# KiCad board NoU2-panelized2.kicad_pcb (continued)
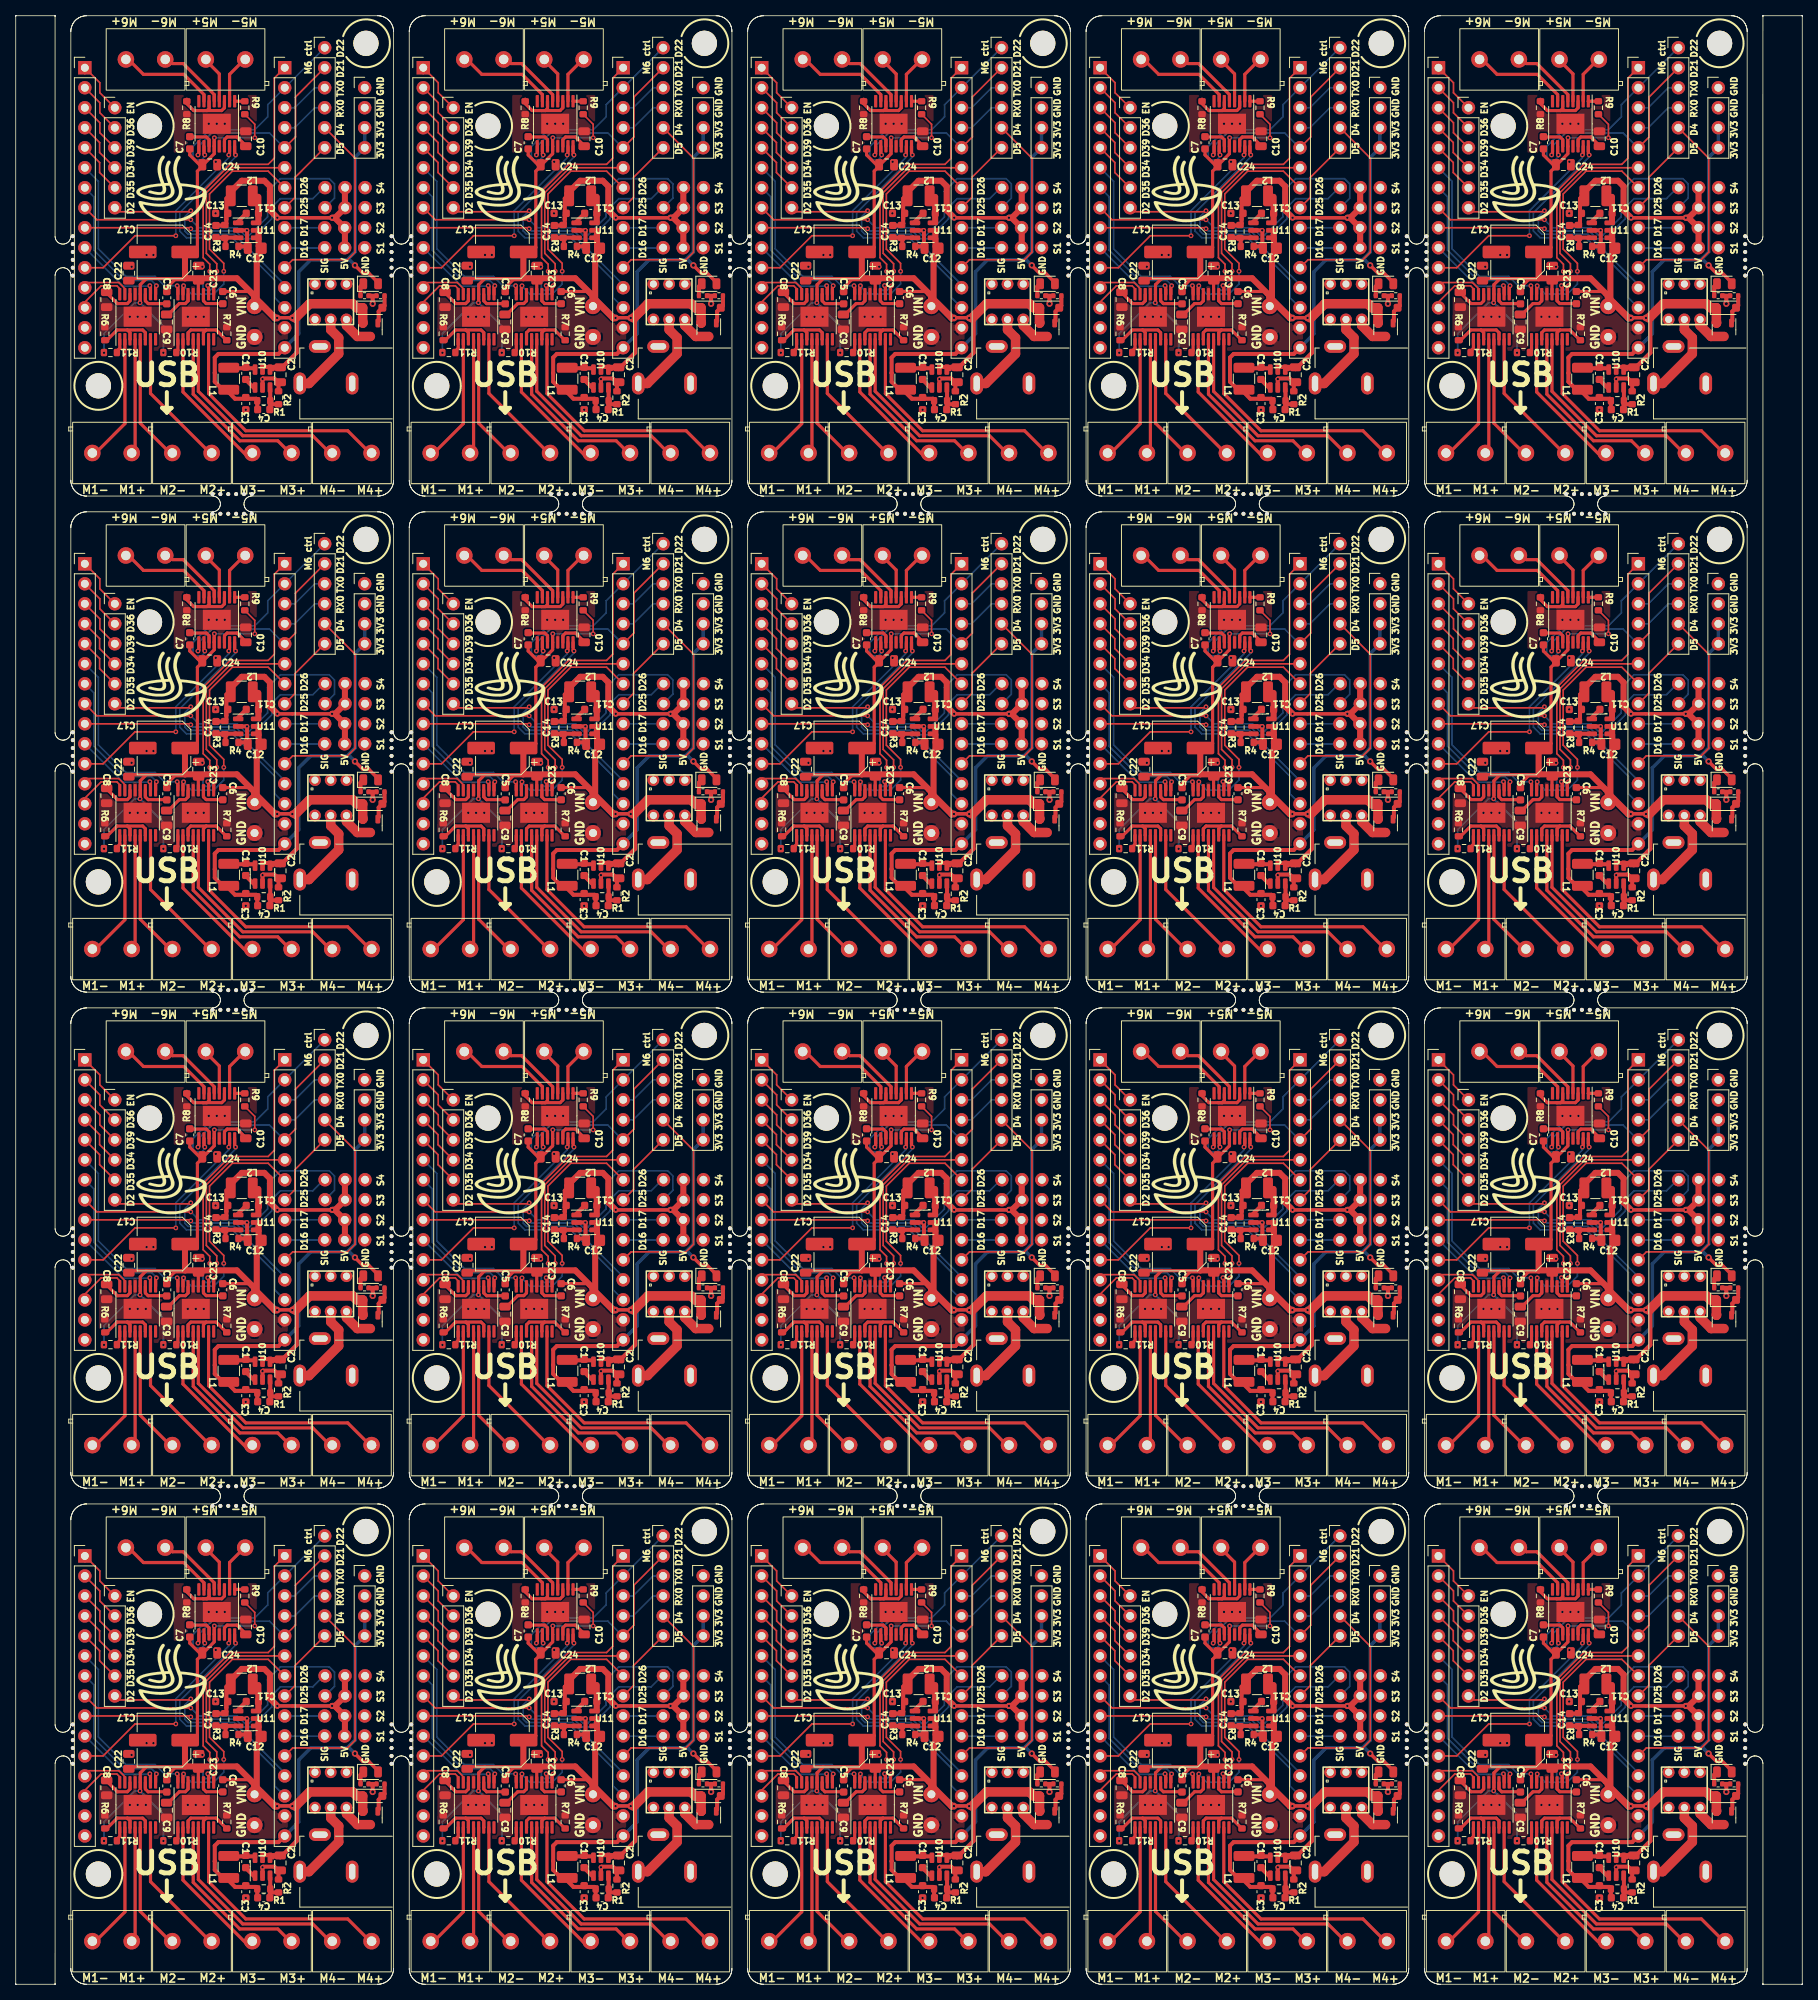
[diagram p0: board, top side]
## Placement (name value [footprint] x y rotation side) (continued)
C23#3  10uF  [C_0805_2012Metric]  66.23 91.31 90 top
C23#4  10uF  [C_0805_2012Metric]  195.23 154.31 90 top
C23#5  10uF  [C_0805_2012Metric]  23.23 91.31 90 top
C23#6  10uF  [C_0805_2012Metric]  152.23 217.31 90 top
C23#7  10uF  [C_0805_2012Metric]  109.23 217.31 90 top
C23#8  10uF  [C_0805_2012Metric]  23.23 28.31 90 top
C23#9  10uF  [C_0805_2012Metric]  152.23 154.31 90 top
C23#10  10uF  [C_0805_2012Metric]  109.23 154.31 90 top
C23#11  10uF  [C_0805_2012Metric]  66.23 217.31 90 top
C23#12  10uF  [C_0805_2012Metric]  195.23 217.31 90 top
C23#13  10uF  [C_0805_2012Metric]  23.23 154.31 90 top
C23#14  10uF  [C_0805_2012Metric]  66.23 28.31 90 top
C23#15  10uF  [C_0805_2012Metric]  152.23 91.31 90 top
C23#16  10uF  [C_0805_2012Metric]  109.23 28.31 90 top
C23#17  10uF  [C_0805_2012Metric]  195.23 91.31 90 top
C23#18  10uF  [C_0805_2012Metric]  195.23 28.31 90 top
C23#19  10uF  [C_0805_2012Metric]  152.23 28.31 90 top
C23#20  10uF  [C_0805_2012Metric]  109.23 91.31 90 top
C24  10uF  [C_0805_2012Metric]  24.65 231.08 0 top
C24#2  10uF  [C_0805_2012Metric]  196.65 231.08 0 top
C24#3  10uF  [C_0805_2012Metric]  153.65 168.08 0 top
C24#4  10uF  [C_0805_2012Metric]  196.65 168.08 0 top
C24#5  10uF  [C_0805_2012Metric]  153.65 231.08 0 top
C24#6  10uF  [C_0805_2012Metric]  110.65 42.08 0 top
C24#7  10uF  [C_0805_2012Metric]  153.65 42.08 0 top
C24#8  10uF  [C_0805_2012Metric]  67.65 231.08 0 top
C24#9  10uF  [C_0805_2012Metric]  67.65 42.08 0 top
C24#10  10uF  [C_0805_2012Metric]  110.65 231.08 0 top
C24#11  10uF  [C_0805_2012Metric]  67.65 168.08 0 top
C24#12  10uF  [C_0805_2012Metric]  24.65 168.08 0 top
C24#13  10uF  [C_0805_2012Metric]  24.65 42.08 0 top
C24#14  10uF  [C_0805_2012Metric]  110.65 168.08 0 top
C24#15  10uF  [C_0805_2012Metric]  153.65 105.08 0 top
C24#16  10uF  [C_0805_2012Metric]  24.65 105.08 0 top
C24#17  10uF  [C_0805_2012Metric]  110.65 105.08 0 top
C24#18  10uF  [C_0805_2012Metric]  196.65 42.08 0 top
C24#19  10uF  [C_0805_2012Metric]  67.65 105.08 0 top
C24#20  10uF  [C_0805_2012Metric]  196.65 105.08 0 top
D1  LED  [LED_0805_2012Metric]  217.1 152.96 0 top
D1#2  LED  [LED_0805_2012Metric]  88.1 26.96 0 top
D1#3  LED  [LED_0805_2012Metric]  88.1 152.96 0 top
D1#4  LED  [LED_0805_2012Metric]  174.1 152.96 0 top
D1#5  LED  [LED_0805_2012Metric]  45.1 215.96 0 top
D1#6  LED  [LED_0805_2012Metric]  131.1 215.96 0 top
D1#7  LED  [LED_0805_2012Metric]  131.1 152.96 0 top
D1#8  LED  [LED_0805_2012Metric]  217.1 215.96 0 top
D1#9  LED  [LED_0805_2012Metric]  45.1 152.96 0 top
D1#10  LED  [LED_0805_2012Metric]  45.1 89.96 0 top
D1#11  LED  [LED_0805_2012Metric]  174.1 26.96 0 top
D1#12  LED  [LED_0805_2012Metric]  131.1 89.96 0 top
D1#13  LED  [LED_0805_2012Metric]  174.1 89.96 0 top
D1#14  LED  [LED_0805_2012Metric]  88.1 215.96 0 top
D1#15  LED  [LED_0805_2012Metric]  217.1 89.96 0 top
D1#16  LED  [LED_0805_2012Metric]  88.1 89.96 0 top
D1#17  LED  [LED_0805_2012Metric]  45.1 26.96 0 top
D1#18  LED  [LED_0805_2012Metric]  131.1 26.96 0 top
D1#19  LED  [LED_0805_2012Metric]  217.1 26.96 0 top
D1#20  LED  [LED_0805_2012Metric]  174.1 215.96 0 top
D3  Z5V6  [D_SOD-323_HandSoldering]  88.34 149.92 0 top
D3#2  Z5V6  [D_SOD-323_HandSoldering]  131.34 212.92 0 top
D3#3  Z5V6  [D_SOD-323_HandSoldering]  88.34 86.92 0 top
D3#4  Z5V6  [D_SOD-323_HandSoldering]  131.34 149.92 0 top
D3#5  Z5V6  [D_SOD-323_HandSoldering]  131.34 86.92 0 top
D3#6  Z5V6  [D_SOD-323_HandSoldering]  45.34 212.92 0 top
D3#7  Z5V6  [D_SOD-323_HandSoldering]  88.34 212.92 0 top
D3#8  Z5V6  [D_SOD-323_HandSoldering]  131.34 23.92 0 top
D3#9  Z5V6  [D_SOD-323_HandSoldering]  174.34 86.92 0 top
D3#10  Z5V6  [D_SOD-323_HandSoldering]  217.34 149.92 0 top
D3#11  Z5V6  [D_SOD-323_HandSoldering]  217.34 212.92 0 top
D3#12  Z5V6  [D_SOD-323_HandSoldering]  45.34 23.92 0 top
D3#13  Z5V6  [D_SOD-323_HandSoldering]  45.34 86.92 0 top
D3#14  Z5V6  [D_SOD-323_HandSoldering]  174.34 149.92 0 top
D3#15  Z5V6  [D_SOD-323_HandSoldering]  217.34 86.92 0 top
D3#16  Z5V6  [D_SOD-323_HandSoldering]  217.34 23.92 0 top
D3#17  Z5V6  [D_SOD-323_HandSoldering]  174.34 212.92 0 top
D3#18  Z5V6  [D_SOD-323_HandSoldering]  88.34 23.92 0 top
D3#19  Z5V6  [D_SOD-323_HandSoldering]  45.34 149.92 0 top
D3#20  Z5V6  [D_SOD-323_HandSoldering]  174.34 23.92 0 top
G***  LOGO  [Alfredo_logo_small]  62.8 165 0 top
G***#2  LOGO  [Alfredo_logo_small]  191.8 228 0 top
G***#3  LOGO  [Alfredo_logo_small]  191.8 102 0 top
G***#4  LOGO  [Alfredo_logo_small]  105.8 228 0 top
G***#5  LOGO  [Alfredo_logo_small]  148.8 165 0 top
G***#6  LOGO  [Alfredo_logo_small]  19.8 102 0 top
G***#7  LOGO  [Alfredo_logo_small]  148.8 102 0 top
G***#8  LOGO  [Alfredo_logo_small]  62.8 39 0 top
G***#9  LOGO  [Alfredo_logo_small]  148.8 39 0 top
G***#10  LOGO  [Alfredo_logo_small]  105.8 102 0 top
G***#11  LOGO  [Alfredo_logo_small]  19.8 39 0 top
G***#12  LOGO  [Alfredo_logo_small]  19.8 228 0 top
G***#13  LOGO  [Alfredo_logo_small]  191.8 165 0 top
G***#14  LOGO  [Alfredo_logo_small]  148.8 228 0 top
G***#15  LOGO  [Alfredo_logo_small]  19.8 165 0 top
G***#16  LOGO  [Alfredo_logo_small]  62.8 102 0 top
G***#17  LOGO  [Alfredo_logo_small]  62.8 228 0 top
G***#18  LOGO  [Alfredo_logo_small]  191.8 39 0 top
G***#19  LOGO  [Alfredo_logo_small]  105.8 39 0 top
G***#20  LOGO  [Alfredo_logo_small]  105.8 165 0 top
J1  Conn_01x06_Male  [PinHeader_1x06_P2.54mm_Vertical]  39.26 119.94 0 top
J1#2  Conn_01x06_Male  [PinHeader_1x06_P2.54mm_Vertical]  168.26 182.94 0 top
J1#3  Conn_01x06_Male  [PinHeader_1x06_P2.54mm_Vertical]  125.26 119.94 0 top
J1#4  Conn_01x06_Male  [PinHeader_1x06_P2.54mm_Vertical]  211.26 56.94 0 top
J1#5  Conn_01x06_Male  [PinHeader_1x06_P2.54mm_Vertical]  168.26 245.94 0 top
J1#6  Conn_01x06_Male  [PinHeader_1x06_P2.54mm_Vertical]  211.26 245.94 0 top
J1#7  Conn_01x06_Male  [PinHeader_1x06_P2.54mm_Vertical]  211.26 182.94 0 top
J1#8  Conn_01x06_Male  [PinHeader_1x06_P2.54mm_Vertical]  82.26 245.94 0 top
J1#9  Conn_01x06_Male  [PinHeader_1x06_P2.54mm_Vertical]  39.26 245.94 0 top
J1#10  Conn_01x06_Male  [PinHeader_1x06_P2.54mm_Vertical]  82.26 56.94 0 top
J1#11  Conn_01x06_Male  [PinHeader_1x06_P2.54mm_Vertical]  125.26 245.94 0 top
J1#12  Conn_01x06_Male  [PinHeader_1x06_P2.54mm_Vertical]  82.26 182.94 0 top
J1#13  Conn_01x06_Male  [PinHeader_1x06_P2.54mm_Vertical]  82.26 119.94 0 top
J1#14  Conn_01x06_Male  [PinHeader_1x06_P2.54mm_Vertical]  39.26 182.94 0 top
J1#15  Conn_01x06_Male  [PinHeader_1x06_P2.54mm_Vertical]  125.26 182.94 0 top
J1#16  Conn_01x06_Male  [PinHeader_1x06_P2.54mm_Vertical]  168.26 119.94 0 top
J1#17  Conn_01x06_Male  [PinHeader_1x06_P2.54mm_Vertical]  211.26 119.94 0 top
J1#18  Conn_01x06_Male  [PinHeader_1x06_P2.54mm_Vertical]  39.26 56.94 0 top
J1#19  Conn_01x06_Male  [PinHeader_1x06_P2.54mm_Vertical]  168.26 56.94 0 top
J1#20  Conn_01x06_Male  [PinHeader_1x06_P2.54mm_Vertical]  125.26 56.94 0 top
J2  ESPheader  [PinHeader_1x15_P2.54mm_Vertical]  94.78 54.4 0 top
J2#2  ESPheader  [PinHeader_1x15_P2.54mm_Vertical]  94.78 180.4 0 top
J2#3  ESPheader  [PinHeader_1x15_P2.54mm_Vertical]  8.78 180.4 0 top
J2#4  ESPheader  [PinHeader_1x15_P2.54mm_Vertical]  180.78 117.4 0 top
J2#5  ESPheader  [PinHeader_1x15_P2.54mm_Vertical]  137.78 54.4 0 top
J2#6  ESPheader  [PinHeader_1x15_P2.54mm_Vertical]  180.78 54.4 0 top
J2#7  ESPheader  [PinHeader_1x15_P2.54mm_Vertical]  180.78 180.4 0 top
J2#8  ESPheader  [PinHeader_1x15_P2.54mm_Vertical]  8.78 54.4 0 top
J2#9  ESPheader  [PinHeader_1x15_P2.54mm_Vertical]  137.78 180.4 0 top
J2#10  ESPheader  [PinHeader_1x15_P2.54mm_Vertical]  51.78 243.4 0 top
J2#11  ESPheader  [PinHeader_1x15_P2.54mm_Vertical]  94.78 117.4 0 top
J2#12  ESPheader  [PinHeader_1x15_P2.54mm_Vertical]  137.78 117.4 0 top
J2#13  ESPheader  [PinHeader_1x15_P2.54mm_Vertical]  8.78 243.4 0 top
J2#14  ESPheader  [PinHeader_1x15_P2.54mm_Vertical]  94.78 243.4 0 top
J2#15  ESPheader  [PinHeader_1x15_P2.54mm_Vertical]  137.78 243.4 0 top
J2#16  ESPheader  [PinHeader_1x15_P2.54mm_Vertical]  180.78 243.4 0 top
J2#17  ESPheader  [PinHeader_1x15_P2.54mm_Vertical]  51.78 54.4 0 top
J2#18  ESPheader  [PinHeader_1x15_P2.54mm_Vertical]  51.78 180.4 0 top
J2#19  ESPheader  [PinHeader_1x15_P2.54mm_Vertical]  8.78 117.4 0 top
J2#20  ESPheader  [PinHeader_1x15_P2.54mm_Vertical]  51.78 117.4 0 top
J3  Conn_01x04_Male  [PinHeader_1x04_P2.54mm_Vertical]  44.34 240.86 0 top
J3#2  Conn_01x04_Male  [PinHeader_1x04_P2.54mm_Vertical]  173.34 240.86 0 top
J3#3  Conn_01x04_Male  [PinHeader_1x04_P2.54mm_Vertical]  173.34 51.86 0 top
J3#4  Conn_01x04_Male  [PinHeader_1x04_P2.54mm_Vertical]  44.34 177.86 0 top
J3#5  Conn_01x04_Male  [PinHeader_1x04_P2.54mm_Vertical]  87.34 240.86 0 top
J3#6  Conn_01x04_Male  [PinHeader_1x04_P2.54mm_Vertical]  173.34 114.86 0 top
J3#7  Conn_01x04_Male  [PinHeader_1x04_P2.54mm_Vertical]  173.34 177.86 0 top
J3#8  Conn_01x04_Male  [PinHeader_1x04_P2.54mm_Vertical]  216.34 114.86 0 top
J3#9  Conn_01x04_Male  [PinHeader_1x04_P2.54mm_Vertical]  216.34 51.86 0 top
J3#10  Conn_01x04_Male  [PinHeader_1x04_P2.54mm_Vertical]  130.34 114.86 0 top
J3#11  Conn_01x04_Male  [PinHeader_1x04_P2.54mm_Vertical]  216.34 177.86 0 top
J3#12  Conn_01x04_Male  [PinHeader_1x04_P2.54mm_Vertical]  87.34 114.86 0 top
J3#13  Conn_01x04_Male  [PinHeader_1x04_P2.54mm_Vertical]  44.34 114.86 0 top
J3#14  Conn_01x04_Male  [PinHeader_1x04_P2.54mm_Vertical]  87.34 177.86 0 top
J3#15  Conn_01x04_Male  [PinHeader_1x04_P2.54mm_Vertical]  130.34 177.86 0 top
J3#16  Conn_01x04_Male  [PinHeader_1x04_P2.54mm_Vertical]  130.34 240.86 0 top
J3#17  Conn_01x04_Male  [PinHeader_1x04_P2.54mm_Vertical]  44.34 51.86 0 top
J3#18  Conn_01x04_Male  [PinHeader_1x04_P2.54mm_Vertical]  216.34 240.86 0 top
J3#19  Conn_01x04_Male  [PinHeader_1x04_P2.54mm_Vertical]  87.34 51.86 0 top
J3#20  Conn_01x04_Male  [PinHeader_1x04_P2.54mm_Vertical]  130.34 51.86 0 top
J4  Conn_01x06_Male  [PinHeader_1x06_P2.54mm_Vertical]  55.59 175.32 0 top
J4#2  Conn_01x06_Male  [PinHeader_1x06_P2.54mm_Vertical]  184.59 112.32 0 top
J4#3  Conn_01x06_Male  [PinHeader_1x06_P2.54mm_Vertical]  141.59 112.32 0 top
J4#4  Conn_01x06_Male  [PinHeader_1x06_P2.54mm_Vertical]  98.59 49.32 0 top
J4#5  Conn_01x06_Male  [PinHeader_1x06_P2.54mm_Vertical]  98.59 238.32 0 top
J4#6  Conn_01x06_Male  [PinHeader_1x06_P2.54mm_Vertical]  184.59 238.32 0 top
J4#7  Conn_01x06_Male  [PinHeader_1x06_P2.54mm_Vertical]  55.59 238.32 0 top
J4#8  Conn_01x06_Male  [PinHeader_1x06_P2.54mm_Vertical]  141.59 238.32 0 top
J4#9  Conn_01x06_Male  [PinHeader_1x06_P2.54mm_Vertical]  12.59 238.32 0 top
J4#10  Conn_01x06_Male  [PinHeader_1x06_P2.54mm_Vertical]  98.59 175.32 0 top
J4#11  Conn_01x06_Male  [PinHeader_1x06_P2.54mm_Vertical]  98.59 112.32 0 top
J4#12  Conn_01x06_Male  [PinHeader_1x06_P2.54mm_Vertical]  184.59 175.32 0 top
J4#13  Conn_01x06_Male  [PinHeader_1x06_P2.54mm_Vertical]  12.59 112.32 0 top
J4#14  Conn_01x06_Male  [PinHeader_1x06_P2.54mm_Vertical]  12.59 49.32 0 top
J4#15  Conn_01x06_Male  [PinHeader_1x06_P2.54mm_Vertical]  55.59 49.32 0 top
J4#16  Conn_01x06_Male  [PinHeader_1x06_P2.54mm_Vertical]  12.59 175.32 0 top
J4#17  Conn_01x06_Male  [PinHeader_1x06_P2.54mm_Vertical]  141.59 175.32 0 top
J4#18  Conn_01x06_Male  [PinHeader_1x06_P2.54mm_Vertical]  141.59 49.32 0 top
J4#19  Conn_01x06_Male  [PinHeader_1x06_P2.54mm_Vertical]  55.59 112.32 0 top
J4#20  Conn_01x06_Male  [PinHeader_1x06_P2.54mm_Vertical]  184.59 49.32 0 top
J5  ESPheader  [PinHeader_1x15_P2.54mm_Vertical]  163.18 243.4 0 top
J5#2  ESPheader  [PinHeader_1x15_P2.54mm_Vertical]  206.18 243.4 0 top
J5#3  ESPheader  [PinHeader_1x15_P2.54mm_Vertical]  206.18 54.4 0 top
J5#4  ESPheader  [PinHeader_1x15_P2.54mm_Vertical]  77.18 117.4 0 top
J5#5  ESPheader  [PinHeader_1x15_P2.54mm_Vertical]  77.18 243.4 0 top
J5#6  ESPheader  [PinHeader_1x15_P2.54mm_Vertical]  206.18 180.4 0 top
J5#7  ESPheader  [PinHeader_1x15_P2.54mm_Vertical]  120.18 54.4 0 top
J5#8  ESPheader  [PinHeader_1x15_P2.54mm_Vertical]  120.18 117.4 0 top
J5#9  ESPheader  [PinHeader_1x15_P2.54mm_Vertical]  77.18 180.4 0 top
J5#10  ESPheader  [PinHeader_1x15_P2.54mm_Vertical]  120.18 180.4 0 top
J5#11  ESPheader  [PinHeader_1x15_P2.54mm_Vertical]  120.18 243.4 0 top
J5#12  ESPheader  [PinHeader_1x15_P2.54mm_Vertical]  34.18 180.4 0 top
J5#13  ESPheader  [PinHeader_1x15_P2.54mm_Vertical]  34.18 54.4 0 top
J5#14  ESPheader  [PinHeader_1x15_P2.54mm_Vertical]  34.18 243.4 0 top
J5#15  ESPheader  [PinHeader_1x15_P2.54mm_Vertical]  163.18 180.4 0 top
J5#16  ESPheader  [PinHeader_1x15_P2.54mm_Vertical]  163.18 54.4 0 top
J5#17  ESPheader  [PinHeader_1x15_P2.54mm_Vertical]  163.18 117.4 0 top
J5#18  ESPheader  [PinHeader_1x15_P2.54mm_Vertical]  77.18 54.4 0 top
J5#19  ESPheader  [PinHeader_1x15_P2.54mm_Vertical]  206.18 117.4 0 top
J5#20  ESPheader  [PinHeader_1x15_P2.54mm_Vertical]  34.18 117.4 0 top
J10  Barrel_Jack  [DC-005C]  128.75 77.3 180 top
J10#2  Barrel_Jack  [DC-005C]  85.75 77.3 180 top
J10#3  Barrel_Jack  [DC-005C]  128.75 203.3 180 top
J10#4  Barrel_Jack  [DC-005C]  214.75 140.3 180 top
J10#5  Barrel_Jack  [DC-005C]  42.75 140.3 180 top
J10#6  Barrel_Jack  [DC-005C]  171.75 77.3 180 top
J10#7  Barrel_Jack  [DC-005C]  85.75 140.3 180 top
J10#8  Barrel_Jack  [DC-005C]  128.75 140.3 180 top
J10#9  Barrel_Jack  [DC-005C]  42.75 203.3 180 top
J10#10  Barrel_Jack  [DC-005C]  85.75 203.3 180 top
J10#11  Barrel_Jack  [DC-005C]  171.75 140.3 180 top
J10#12  Barrel_Jack  [DC-005C]  171.75 14.3 180 top
J10#13  Barrel_Jack  [DC-005C]  171.75 203.3 180 top
J10#14  Barrel_Jack  [DC-005C]  214.75 77.3 180 top
J10#15  Barrel_Jack  [DC-005C]  214.75 14.3 180 top
J10#16  Barrel_Jack  [DC-005C]  42.75 77.3 180 top
J10#17  Barrel_Jack  [DC-005C]  128.75 14.3 180 top
J10#18  Barrel_Jack  [DC-005C]  85.75 14.3 180 top
J10#19  Barrel_Jack  [DC-005C]  214.75 203.3 180 top
J10#20  Barrel_Jack  [DC-005C]  42.75 14.3 180 top
J11  Screw_Terminal_01x02  [TerminalBlock_Ningbo_2P_5mm]  55.23 194.47 180 top
J11#2  Screw_Terminal_01x02  [TerminalBlock_Ningbo_2P_5mm]  55.23 131.47 180 top
J11#3  Screw_Terminal_01x02  [TerminalBlock_Ningbo_2P_5mm]  141.23 5.47 180 top
J11#4  Screw_Terminal_01x02  [TerminalBlock_Ningbo_2P_5mm]  184.23 194.47 180 top
J11#5  Screw_Terminal_01x02  [TerminalBlock_Ningbo_2P_5mm]  12.23 194.47 180 top
J11#6  Screw_Terminal_01x02  [TerminalBlock_Ningbo_2P_5mm]  184.23 5.47 180 top
J11#7  Screw_Terminal_01x02  [TerminalBlock_Ningbo_2P_5mm]  12.23 131.47 180 top
J11#8  Screw_Terminal_01x02  [TerminalBlock_Ningbo_2P_5mm]  141.23 194.47 180 top
J11#9  Screw_Terminal_01x02  [TerminalBlock_Ningbo_2P_5mm]  98.23 68.47 180 top
J11#10  Screw_Terminal_01x02  [TerminalBlock_Ningbo_2P_5mm]  98.23 131.47 180 top
J11#11  Screw_Terminal_01x02  [TerminalBlock_Ningbo_2P_5mm]  12.23 68.47 180 top
J11#12  Screw_Terminal_01x02  [TerminalBlock_Ningbo_2P_5mm]  184.23 131.47 180 top
J11#13  Screw_Terminal_01x02  [TerminalBlock_Ningbo_2P_5mm]  141.23 131.47 180 top
J11#14  Screw_Terminal_01x02  [TerminalBlock_Ningbo_2P_5mm]  55.23 5.47 180 top
J11#15  Screw_Terminal_01x02  [TerminalBlock_Ningbo_2P_5mm]  141.23 68.47 180 top
J11#16  Screw_Terminal_01x02  [TerminalBlock_Ningbo_2P_5mm]  98.23 5.47 180 top
J11#17  Screw_Terminal_01x02  [TerminalBlock_Ningbo_2P_5mm]  55.23 68.47 180 top
J11#18  Screw_Terminal_01x02  [TerminalBlock_Ningbo_2P_5mm]  98.23 194.47 180 top
J11#19  Screw_Terminal_01x02  [TerminalBlock_Ningbo_2P_5mm]  12.23 5.47 180 top
J11#20  Screw_Terminal_01x02  [TerminalBlock_Ningbo_2P_5mm]  184.23 68.47 180 top
J13  Conn_01x01  [PinSocket_1x01_P2.54mm_Vertical]  30.34 209.21 0 top
J13#2  Conn_01x01  [PinSocket_1x01_P2.54mm_Vertical]  116.34 209.21 0 top
J13#3  Conn_01x01  [PinSocket_1x01_P2.54mm_Vertical]  202.34 209.21 0 top
J13#4  Conn_01x01  [PinSocket_1x01_P2.54mm_Vertical]  116.34 83.21 0 top
J13#5  Conn_01x01  [PinSocket_1x01_P2.54mm_Vertical]  73.34 83.21 0 top
J13#6  Conn_01x01  [PinSocket_1x01_P2.54mm_Vertical]  159.34 209.21 0 top
J13#7  Conn_01x01  [PinSocket_1x01_P2.54mm_Vertical]  73.34 146.21 0 top
J13#8  Conn_01x01  [PinSocket_1x01_P2.54mm_Vertical]  202.34 146.21 0 top
J13#9  Conn_01x01  [PinSocket_1x01_P2.54mm_Vertical]  30.34 146.21 0 top
J13#10  Conn_01x01  [PinSocket_1x01_P2.54mm_Vertical]  159.34 146.21 0 top
J13#11  Conn_01x01  [PinSocket_1x01_P2.54mm_Vertical]  73.34 209.21 0 top
J13#12  Conn_01x01  [PinSocket_1x01_P2.54mm_Vertical]  116.34 20.21 0 top
J13#13  Conn_01x01  [PinSocket_1x01_P2.54mm_Vertical]  116.34 146.21 0 top
J13#14  Conn_01x01  [PinSocket_1x01_P2.54mm_Vertical]  159.34 83.21 0 top
J13#15  Conn_01x01  [PinSocket_1x01_P2.54mm_Vertical]  202.34 83.21 0 top
J13#16  Conn_01x01  [PinSocket_1x01_P2.54mm_Vertical]  202.34 20.21 0 top
J13#17  Conn_01x01  [PinSocket_1x01_P2.54mm_Vertical]  30.34 83.21 0 top
J13#18  Conn_01x01  [PinSocket_1x01_P2.54mm_Vertical]  73.34 20.21 0 top
J13#19  Conn_01x01  [PinSocket_1x01_P2.54mm_Vertical]  30.34 20.21 0 top
J13#20  Conn_01x01  [PinSocket_1x01_P2.54mm_Vertical]  159.34 20.21 0 top
J14  Conn_01x01  [PinSocket_1x01_P2.54mm_Vertical]  202.34 150.12 0 top
J14#2  Conn_01x01  [PinSocket_1x01_P2.54mm_Vertical]  116.34 87.12 0 top
J14#3  Conn_01x01  [PinSocket_1x01_P2.54mm_Vertical]  30.34 213.12 0 top
J14#4  Conn_01x01  [PinSocket_1x01_P2.54mm_Vertical]  116.34 213.12 0 top
J14#5  Conn_01x01  [PinSocket_1x01_P2.54mm_Vertical]  73.34 150.12 0 top
J14#6  Conn_01x01  [PinSocket_1x01_P2.54mm_Vertical]  30.34 24.12 0 top
J14#7  Conn_01x01  [PinSocket_1x01_P2.54mm_Vertical]  159.34 213.12 0 top
J14#8  Conn_01x01  [PinSocket_1x01_P2.54mm_Vertical]  30.34 150.12 0 top
J14#9  Conn_01x01  [PinSocket_1x01_P2.54mm_Vertical]  202.34 213.12 0 top
J14#10  Conn_01x01  [PinSocket_1x01_P2.54mm_Vertical]  116.34 150.12 0 top
J14#11  Conn_01x01  [PinSocket_1x01_P2.54mm_Vertical]  73.34 213.12 0 top
J14#12  Conn_01x01  [PinSocket_1x01_P2.54mm_Vertical]  159.34 150.12 0 top
J14#13  Conn_01x01  [PinSocket_1x01_P2.54mm_Vertical]  202.34 87.12 0 top
J14#14  Conn_01x01  [PinSocket_1x01_P2.54mm_Vertical]  159.34 87.12 0 top
J14#15  Conn_01x01  [PinSocket_1x01_P2.54mm_Vertical]  30.34 87.12 0 top
J14#16  Conn_01x01  [PinSocket_1x01_P2.54mm_Vertical]  202.34 24.12 0 top
J14#17  Conn_01x01  [PinSocket_1x01_P2.54mm_Vertical]  116.34 24.12 0 top
J14#18  Conn_01x01  [PinSocket_1x01_P2.54mm_Vertical]  73.34 24.12 0 top
J14#19  Conn_01x01  [PinSocket_1x01_P2.54mm_Vertical]  73.34 87.12 0 top
J14#20  Conn_01x01  [PinSocket_1x01_P2.54mm_Vertical]  159.34 24.12 0 top
J15  Screw_Terminal_01x02  [TerminalBlock_Ningbo_2P_5mm]  22.39 68.47 180 top
J15#2  Screw_Terminal_01x02  [TerminalBlock_Ningbo_2P_5mm]  22.39 194.47 180 top
J15#3  Screw_Terminal_01x02  [TerminalBlock_Ningbo_2P_5mm]  65.39 194.47 180 top
J15#4  Screw_Terminal_01x02  [TerminalBlock_Ningbo_2P_5mm]  194.39 131.47 180 top
J15#5  Screw_Terminal_01x02  [TerminalBlock_Ningbo_2P_5mm]  108.39 131.47 180 top
J15#6  Screw_Terminal_01x02  [TerminalBlock_Ningbo_2P_5mm]  151.39 68.47 180 top
J15#7  Screw_Terminal_01x02  [TerminalBlock_Ningbo_2P_5mm]  151.39 5.47 180 top
J15#8  Screw_Terminal_01x02  [TerminalBlock_Ningbo_2P_5mm]  108.39 5.47 180 top
J15#9  Screw_Terminal_01x02  [TerminalBlock_Ningbo_2P_5mm]  151.39 131.47 180 top
J15#10  Screw_Terminal_01x02  [TerminalBlock_Ningbo_2P_5mm]  108.39 194.47 180 top
J15#11  Screw_Terminal_01x02  [TerminalBlock_Ningbo_2P_5mm]  65.39 131.47 180 top
J15#12  Screw_Terminal_01x02  [TerminalBlock_Ningbo_2P_5mm]  65.39 68.47 180 top
J15#13  Screw_Terminal_01x02  [TerminalBlock_Ningbo_2P_5mm]  151.39 194.47 180 top
J15#14  Screw_Terminal_01x02  [TerminalBlock_Ningbo_2P_5mm]  22.39 131.47 180 top
J15#15  Screw_Terminal_01x02  [TerminalBlock_Ningbo_2P_5mm]  194.39 194.47 180 top
J15#16  Screw_Terminal_01x02  [TerminalBlock_Ningbo_2P_5mm]  108.39 68.47 180 top
J15#17  Screw_Terminal_01x02  [TerminalBlock_Ningbo_2P_5mm]  194.39 68.47 180 top
J15#18  Screw_Terminal_01x02  [TerminalBlock_Ningbo_2P_5mm]  22.39 5.47 180 top
J15#19  Screw_Terminal_01x02  [TerminalBlock_Ningbo_2P_5mm]  65.39 5.47 180 top
J15#20  Screw_Terminal_01x02  [TerminalBlock_Ningbo_2P_5mm]  194.39 5.47 180 top
J16  Screw_Terminal_01x02  [TerminalBlock_Ningbo_2P_5mm]  161.55 131.47 180 top
J16#2  Screw_Terminal_01x02  [TerminalBlock_Ningbo_2P_5mm]  75.55 194.47 180 top
J16#3  Screw_Terminal_01x02  [TerminalBlock_Ningbo_2P_5mm]  204.55 194.47 180 top
J16#4  Screw_Terminal_01x02  [TerminalBlock_Ningbo_2P_5mm]  161.55 68.47 180 top
J16#5  Screw_Terminal_01x02  [TerminalBlock_Ningbo_2P_5mm]  75.55 68.47 180 top
J16#6  Screw_Terminal_01x02  [TerminalBlock_Ningbo_2P_5mm]  32.55 131.47 180 top
J16#7  Screw_Terminal_01x02  [TerminalBlock_Ningbo_2P_5mm]  32.55 194.47 180 top
J16#8  Screw_Terminal_01x02  [TerminalBlock_Ningbo_2P_5mm]  204.55 5.47 180 top
J16#9  Screw_Terminal_01x02  [TerminalBlock_Ningbo_2P_5mm]  75.55 131.47 180 top
J16#10  Screw_Terminal_01x02  [TerminalBlock_Ningbo_2P_5mm]  118.55 194.47 180 top
J16#11  Screw_Terminal_01x02  [TerminalBlock_Ningbo_2P_5mm]  161.55 194.47 180 top
J16#12  Screw_Terminal_01x02  [TerminalBlock_Ningbo_2P_5mm]  118.55 131.47 180 top
J16#13  Screw_Terminal_01x02  [TerminalBlock_Ningbo_2P_5mm]  118.55 5.47 180 top
J16#14  Screw_Terminal_01x02  [TerminalBlock_Ningbo_2P_5mm]  204.55 131.47 180 top
J16#15  Screw_Terminal_01x02  [TerminalBlock_Ningbo_2P_5mm]  161.55 5.47 180 top
J16#16  Screw_Terminal_01x02  [TerminalBlock_Ningbo_2P_5mm]  118.55 68.47 180 top
J16#17  Screw_Terminal_01x02  [TerminalBlock_Ningbo_2P_5mm]  32.55 5.47 180 top
J16#18  Screw_Terminal_01x02  [TerminalBlock_Ningbo_2P_5mm]  204.55 68.47 180 top
J16#19  Screw_Terminal_01x02  [TerminalBlock_Ningbo_2P_5mm]  32.55 68.47 180 top
J16#20  Screw_Terminal_01x02  [TerminalBlock_Ningbo_2P_5mm]  75.55 5.47 180 top
J17  Screw_Terminal_01x02  [TerminalBlock_Ningbo_2P_5mm]  214.71 194.47 180 top
J17#2  Screw_Terminal_01x02  [TerminalBlock_Ningbo_2P_5mm]  42.71 5.47 180 top
J17#3  Screw_Terminal_01x02  [TerminalBlock_Ningbo_2P_5mm]  42.71 131.47 180 top
J17#4  Screw_Terminal_01x02  [TerminalBlock_Ningbo_2P_5mm]  214.71 131.47 180 top
J17#5  Screw_Terminal_01x02  [TerminalBlock_Ningbo_2P_5mm]  85.71 131.47 180 top
J17#6  Screw_Terminal_01x02  [TerminalBlock_Ningbo_2P_5mm]  171.71 131.47 180 top
J17#7  Screw_Terminal_01x02  [TerminalBlock_Ningbo_2P_5mm]  128.71 5.47 180 top
J17#8  Screw_Terminal_01x02  [TerminalBlock_Ningbo_2P_5mm]  128.71 194.47 180 top
J17#9  Screw_Terminal_01x02  [TerminalBlock_Ningbo_2P_5mm]  85.71 194.47 180 top
J17#10  Screw_Terminal_01x02  [TerminalBlock_Ningbo_2P_5mm]  171.71 194.47 180 top
J17#11  Screw_Terminal_01x02  [TerminalBlock_Ningbo_2P_5mm]  42.71 194.47 180 top
J17#12  Screw_Terminal_01x02  [TerminalBlock_Ningbo_2P_5mm]  214.71 68.47 180 top
J17#13  Screw_Terminal_01x02  [TerminalBlock_Ningbo_2P_5mm]  128.71 131.47 180 top
J17#14  Screw_Terminal_01x02  [TerminalBlock_Ningbo_2P_5mm]  85.71 68.47 180 top
J17#15  Screw_Terminal_01x02  [TerminalBlock_Ningbo_2P_5mm]  128.71 68.47 180 top
J17#16  Screw_Terminal_01x02  [TerminalBlock_Ningbo_2P_5mm]  42.71 68.47 180 top
J17#17  Screw_Terminal_01x02  [TerminalBlock_Ningbo_2P_5mm]  171.71 68.47 180 top
J17#18  Screw_Terminal_01x02  [TerminalBlock_Ningbo_2P_5mm]  85.71 5.47 180 top
J17#19  Screw_Terminal_01x02  [TerminalBlock_Ningbo_2P_5mm]  171.71 5.47 180 top
J17#20  Screw_Terminal_01x02  [TerminalBlock_Ningbo_2P_5mm]  214.71 5.47 180 top
J18  Screw_Terminal_01x02  [TerminalBlock_Ningbo_2P_5mm]  198.66 118.45 0 top
J18#2  Screw_Terminal_01x02  [TerminalBlock_Ningbo_2P_5mm]  69.66 118.45 0 top
J18#3  Screw_Terminal_01x02  [TerminalBlock_Ningbo_2P_5mm]  112.66 55.45 0 top
J18#4  Screw_Terminal_01x02  [TerminalBlock_Ningbo_2P_5mm]  26.66 55.45 0 top
J18#5  Screw_Terminal_01x02  [TerminalBlock_Ningbo_2P_5mm]  26.66 181.45 0 top
J18#6  Screw_Terminal_01x02  [TerminalBlock_Ningbo_2P_5mm]  155.66 244.45 0 top
J18#7  Screw_Terminal_01x02  [TerminalBlock_Ningbo_2P_5mm]  155.66 118.45 0 top
J18#8  Screw_Terminal_01x02  [TerminalBlock_Ningbo_2P_5mm]  155.66 55.45 0 top
J18#9  Screw_Terminal_01x02  [TerminalBlock_Ningbo_2P_5mm]  112.66 118.45 0 top
J18#10  Screw_Terminal_01x02  [TerminalBlock_Ningbo_2P_5mm]  69.66 244.45 0 top
J18#11  Screw_Terminal_01x02  [TerminalBlock_Ningbo_2P_5mm]  198.66 244.45 0 top
J18#12  Screw_Terminal_01x02  [TerminalBlock_Ningbo_2P_5mm]  198.66 181.45 0 top
J18#13  Screw_Terminal_01x02  [TerminalBlock_Ningbo_2P_5mm]  26.66 244.45 0 top
J18#14  Screw_Terminal_01x02  [TerminalBlock_Ningbo_2P_5mm]  112.66 181.45 0 top
J18#15  Screw_Terminal_01x02  [TerminalBlock_Ningbo_2P_5mm]  26.66 118.45 0 top
J18#16  Screw_Terminal_01x02  [TerminalBlock_Ningbo_2P_5mm]  198.66 55.45 0 top
J18#17  Screw_Terminal_01x02  [TerminalBlock_Ningbo_2P_5mm]  112.66 244.45 0 top
J18#18  Screw_Terminal_01x02  [TerminalBlock_Ningbo_2P_5mm]  155.66 181.45 0 top
J18#19  Screw_Terminal_01x02  [TerminalBlock_Ningbo_2P_5mm]  69.66 181.45 0 top
J18#20  Screw_Terminal_01x02  [TerminalBlock_Ningbo_2P_5mm]  69.66 55.45 0 top
J19  Screw_Terminal_01x02  [TerminalBlock_Ningbo_2P_5mm]  16.5 55.45 0 top
J19#2  Screw_Terminal_01x02  [TerminalBlock_Ningbo_2P_5mm]  16.5 118.45 0 top
J19#3  Screw_Terminal_01x02  [TerminalBlock_Ningbo_2P_5mm]  59.5 118.45 0 top
J19#4  Screw_Terminal_01x02  [TerminalBlock_Ningbo_2P_5mm]  145.5 118.45 0 top
J19#5  Screw_Terminal_01x02  [TerminalBlock_Ningbo_2P_5mm]  188.5 55.45 0 top
J19#6  Screw_Terminal_01x02  [TerminalBlock_Ningbo_2P_5mm]  145.5 244.45 0 top
J19#7  Screw_Terminal_01x02  [TerminalBlock_Ningbo_2P_5mm]  102.5 118.45 0 top
J19#8  Screw_Terminal_01x02  [TerminalBlock_Ningbo_2P_5mm]  102.5 55.45 0 top
J19#9  Screw_Terminal_01x02  [TerminalBlock_Ningbo_2P_5mm]  188.5 118.45 0 top
J19#10  Screw_Terminal_01x02  [TerminalBlock_Ningbo_2P_5mm]  102.5 181.45 0 top
J19#11  Screw_Terminal_01x02  [TerminalBlock_Ningbo_2P_5mm]  145.5 181.45 0 top
J19#12  Screw_Terminal_01x02  [TerminalBlock_Ningbo_2P_5mm]  16.5 244.45 0 top
J19#13  Screw_Terminal_01x02  [TerminalBlock_Ningbo_2P_5mm]  188.5 244.45 0 top
J19#14  Screw_Terminal_01x02  [TerminalBlock_Ningbo_2P_5mm]  59.5 181.45 0 top
J19#15  Screw_Terminal_01x02  [TerminalBlock_Ningbo_2P_5mm]  145.5 55.45 0 top
J19#16  Screw_Terminal_01x02  [TerminalBlock_Ningbo_2P_5mm]  188.5 181.45 0 top
J19#17  Screw_Terminal_01x02  [TerminalBlock_Ningbo_2P_5mm]  59.5 244.45 0 top
J19#18  Screw_Terminal_01x02  [TerminalBlock_Ningbo_2P_5mm]  102.5 244.45 0 top
J19#19  Screw_Terminal_01x02  [TerminalBlock_Ningbo_2P_5mm]  16.5 181.45 0 top
J19#20  Screw_Terminal_01x02  [TerminalBlock_Ningbo_2P_5mm]  59.5 55.45 0 top
L1  4.7uH  [L_1210_3225Metric]  199.07 203.9 270 top
L1#2  4.7uH  [L_1210_3225Metric]  27.07 14.9 270 top
L1#3  4.7uH  [L_1210_3225Metric]  113.07 14.9 270 top
L1#4  4.7uH  [L_1210_3225Metric]  27.07 203.9 270 top
L1#5  4.7uH  [L_1210_3225Metric]  156.07 140.9 270 top
L1#6  4.7uH  [L_1210_3225Metric]  27.07 77.9 270 top
L1#7  4.7uH  [L_1210_3225Metric]  199.07 140.9 270 top
L1#8  4.7uH  [L_1210_3225Metric]  70.07 77.9 270 top
L1#9  4.7uH  [L_1210_3225Metric]  156.07 203.9 270 top
L1#10  4.7uH  [L_1210_3225Metric]  70.07 203.9 270 top
L1#11  4.7uH  [L_1210_3225Metric]  113.07 203.9 270 top
L1#12  4.7uH  [L_1210_3225Metric]  70.07 14.9 270 top
L1#13  4.7uH  [L_1210_3225Metric]  113.07 77.9 270 top
L1#14  4.7uH  [L_1210_3225Metric]  199.07 77.9 270 top
L1#15  4.7uH  [L_1210_3225Metric]  156.07 77.9 270 top
L1#16  4.7uH  [L_1210_3225Metric]  113.07 140.9 270 top
L1#17  4.7uH  [L_1210_3225Metric]  156.07 14.9 270 top
L1#18  4.7uH  [L_1210_3225Metric]  199.07 14.9 270 top
L1#19  4.7uH  [L_1210_3225Metric]  70.07 140.9 270 top
L1#20  4.7uH  [L_1210_3225Metric]  27.07 140.9 270 top
L2  4.7uH  [L_1210_3225Metric]  114.72 164.14 180 top
L2#2  4.7uH  [L_1210_3225Metric]  71.72 164.14 180 top
L2#3  4.7uH  [L_1210_3225Metric]  157.72 164.14 180 top
L2#4  4.7uH  [L_1210_3225Metric]  71.72 227.14 180 top
L2#5  4.7uH  [L_1210_3225Metric]  28.72 227.14 180 top
L2#6  4.7uH  [L_1210_3225Metric]  28.72 101.14 180 top
L2#7  4.7uH  [L_1210_3225Metric]  200.72 164.14 180 top
L2#8  4.7uH  [L_1210_3225Metric]  200.72 227.14 180 top
L2#9  4.7uH  [L_1210_3225Metric]  71.72 38.14 180 top
L2#10  4.7uH  [L_1210_3225Metric]  71.72 101.14 180 top
L2#11  4.7uH  [L_1210_3225Metric]  114.72 227.14 180 top
L2#12  4.7uH  [L_1210_3225Metric]  28.72 164.14 180 top
L2#13  4.7uH  [L_1210_3225Metric]  157.72 227.14 180 top
L2#14  4.7uH  [L_1210_3225Metric]  157.72 38.14 180 top
L2#15  4.7uH  [L_1210_3225Metric]  114.72 38.14 180 top
L2#16  4.7uH  [L_1210_3225Metric]  28.72 38.14 180 top
L2#17  4.7uH  [L_1210_3225Metric]  200.72 38.14 180 top
L2#18  4.7uH  [L_1210_3225Metric]  114.72 101.14 180 top
L2#19  4.7uH  [L_1210_3225Metric]  200.72 101.14 180 top
L2#20  4.7uH  [L_1210_3225Metric]  157.72 101.14 180 top
Q1  AO3401A  [SOT-23-small]  88.06 84.12 270 top
Q1#2  AO3401A  [SOT-23-small]  45.06 210.12 270 top
Q1#3  AO3401A  [SOT-23-small]  131.06 147.12 270 top
Q1#4  AO3401A  [SOT-23-small]  131.06 210.12 270 top
Q1#5  AO3401A  [SOT-23-small]  45.06 147.12 270 top
Q1#6  AO3401A  [SOT-23-small]  88.06 147.12 270 top
Q1#7  AO3401A  [SOT-23-small]  45.06 84.12 270 top
Q1#8  AO3401A  [SOT-23-small]  217.06 210.12 270 top
Q1#9  AO3401A  [SOT-23-small]  174.06 21.12 270 top
Q1#10  AO3401A  [SOT-23-small]  174.06 210.12 270 top
Q1#11  AO3401A  [SOT-23-small]  217.06 84.12 270 top
Q1#12  AO3401A  [SOT-23-small]  88.06 21.12 270 top
Q1#13  AO3401A  [SOT-23-small]  88.06 210.12 270 top
Q1#14  AO3401A  [SOT-23-small]  217.06 21.12 270 top
Q1#15  AO3401A  [SOT-23-small]  131.06 21.12 270 top
Q1#16  AO3401A  [SOT-23-small]  131.06 84.12 270 top
Q1#17  AO3401A  [SOT-23-small]  217.06 147.12 270 top
Q1#18  AO3401A  [SOT-23-small]  174.06 147.12 270 top
Q1#19  AO3401A  [SOT-23-small]  174.06 84.12 270 top
Q1#20  AO3401A  [SOT-23-small]  45.06 21.12 270 top
R1  100K  [R_0603_1608Metric]  160.51 201.11 0 top
R1#2  100K  [R_0603_1608Metric]  203.51 12.11 0 top
R1#3  100K  [R_0603_1608Metric]  31.51 201.11 0 top
R1#4  100K  [R_0603_1608Metric]  203.51 201.11 0 top
R1#5  100K  [R_0603_1608Metric]  74.51 201.11 0 top
R1#6  100K  [R_0603_1608Metric]  31.51 12.11 0 top
R1#7  100K  [R_0603_1608Metric]  117.51 12.11 0 top
R1#8  100K  [R_0603_1608Metric]  160.51 12.11 0 top
R1#9  100K  [R_0603_1608Metric]  117.51 201.11 0 top
R1#10  100K  [R_0603_1608Metric]  160.51 75.1 0 top
R1#11  100K  [R_0603_1608Metric]  31.51 75.1 0 top
R1#12  100K  [R_0603_1608Metric]  117.51 75.1 0 top
R1#13  100K  [R_0603_1608Metric]  74.51 75.1 0 top
R1#14  100K  [R_0603_1608Metric]  203.51 75.1 0 top
R1#15  100K  [R_0603_1608Metric]  74.51 12.11 0 top
R1#16  100K  [R_0603_1608Metric]  160.51 138.1 0 top
R1#17  100K  [R_0603_1608Metric]  203.51 138.1 0 top
R1#18  100K  [R_0603_1608Metric]  74.51 138.1 0 top
R1#19  100K  [R_0603_1608Metric]  117.51 138.1 0 top
R1#20  100K  [R_0603_1608Metric]  31.51 138.1 0 top
R2  22K  [R_0603_1608Metric]  119.39 138.49 90 top
R2#2  22K  [R_0603_1608Metric]  76.39 138.49 90 top
R2#3  22K  [R_0603_1608Metric]  162.39 75.49 90 top
R2#4  22K  [R_0603_1608Metric]  162.39 12.49 90 top
R2#5  22K  [R_0603_1608Metric]  119.39 12.49 90 top
R2#6  22K  [R_0603_1608Metric]  76.39 75.49 90 top
R2#7  22K  [R_0603_1608Metric]  162.39 138.49 90 top
R2#8  22K  [R_0603_1608Metric]  205.39 75.49 90 top
R2#9  22K  [R_0603_1608Metric]  205.39 201.49 90 top
R2#10  22K  [R_0603_1608Metric]  205.39 138.49 90 top
R2#11  22K  [R_0603_1608Metric]  33.39 201.49 90 top
R2#12  22K  [R_0603_1608Metric]  76.39 201.49 90 top
R2#13  22K  [R_0603_1608Metric]  119.39 75.49 90 top
R2#14  22K  [R_0603_1608Metric]  33.39 12.49 90 top
R2#15  22K  [R_0603_1608Metric]  119.39 201.49 90 top
R2#16  22K  [R_0603_1608Metric]  76.39 12.49 90 top
R2#17  22K  [R_0603_1608Metric]  162.39 201.49 90 top
R2#18  22K  [R_0603_1608Metric]  205.39 12.49 90 top
R2#19  22K  [R_0603_1608Metric]  33.39 138.49 90 top
R2#20  22K  [R_0603_1608Metric]  33.39 75.49 90 top
R3  100K  [R_0603_1608Metric]  155.56 222.61 270 top
R3#2  100K  [R_0603_1608Metric]  69.56 222.61 270 top
R3#3  100K  [R_0603_1608Metric]  26.56 96.61 270 top
R3#4  100K  [R_0603_1608Metric]  69.56 33.61 270 top
R3#5  100K  [R_0603_1608Metric]  198.56 33.61 270 top
R3#6  100K  [R_0603_1608Metric]  155.56 33.61 270 top
R3#7  100K  [R_0603_1608Metric]  198.56 159.61 270 top
R3#8  100K  [R_0603_1608Metric]  69.56 159.61 270 top
